# Altium PCB MCU009B_PCB.PcbDoc (part 1 of 4) (continued)
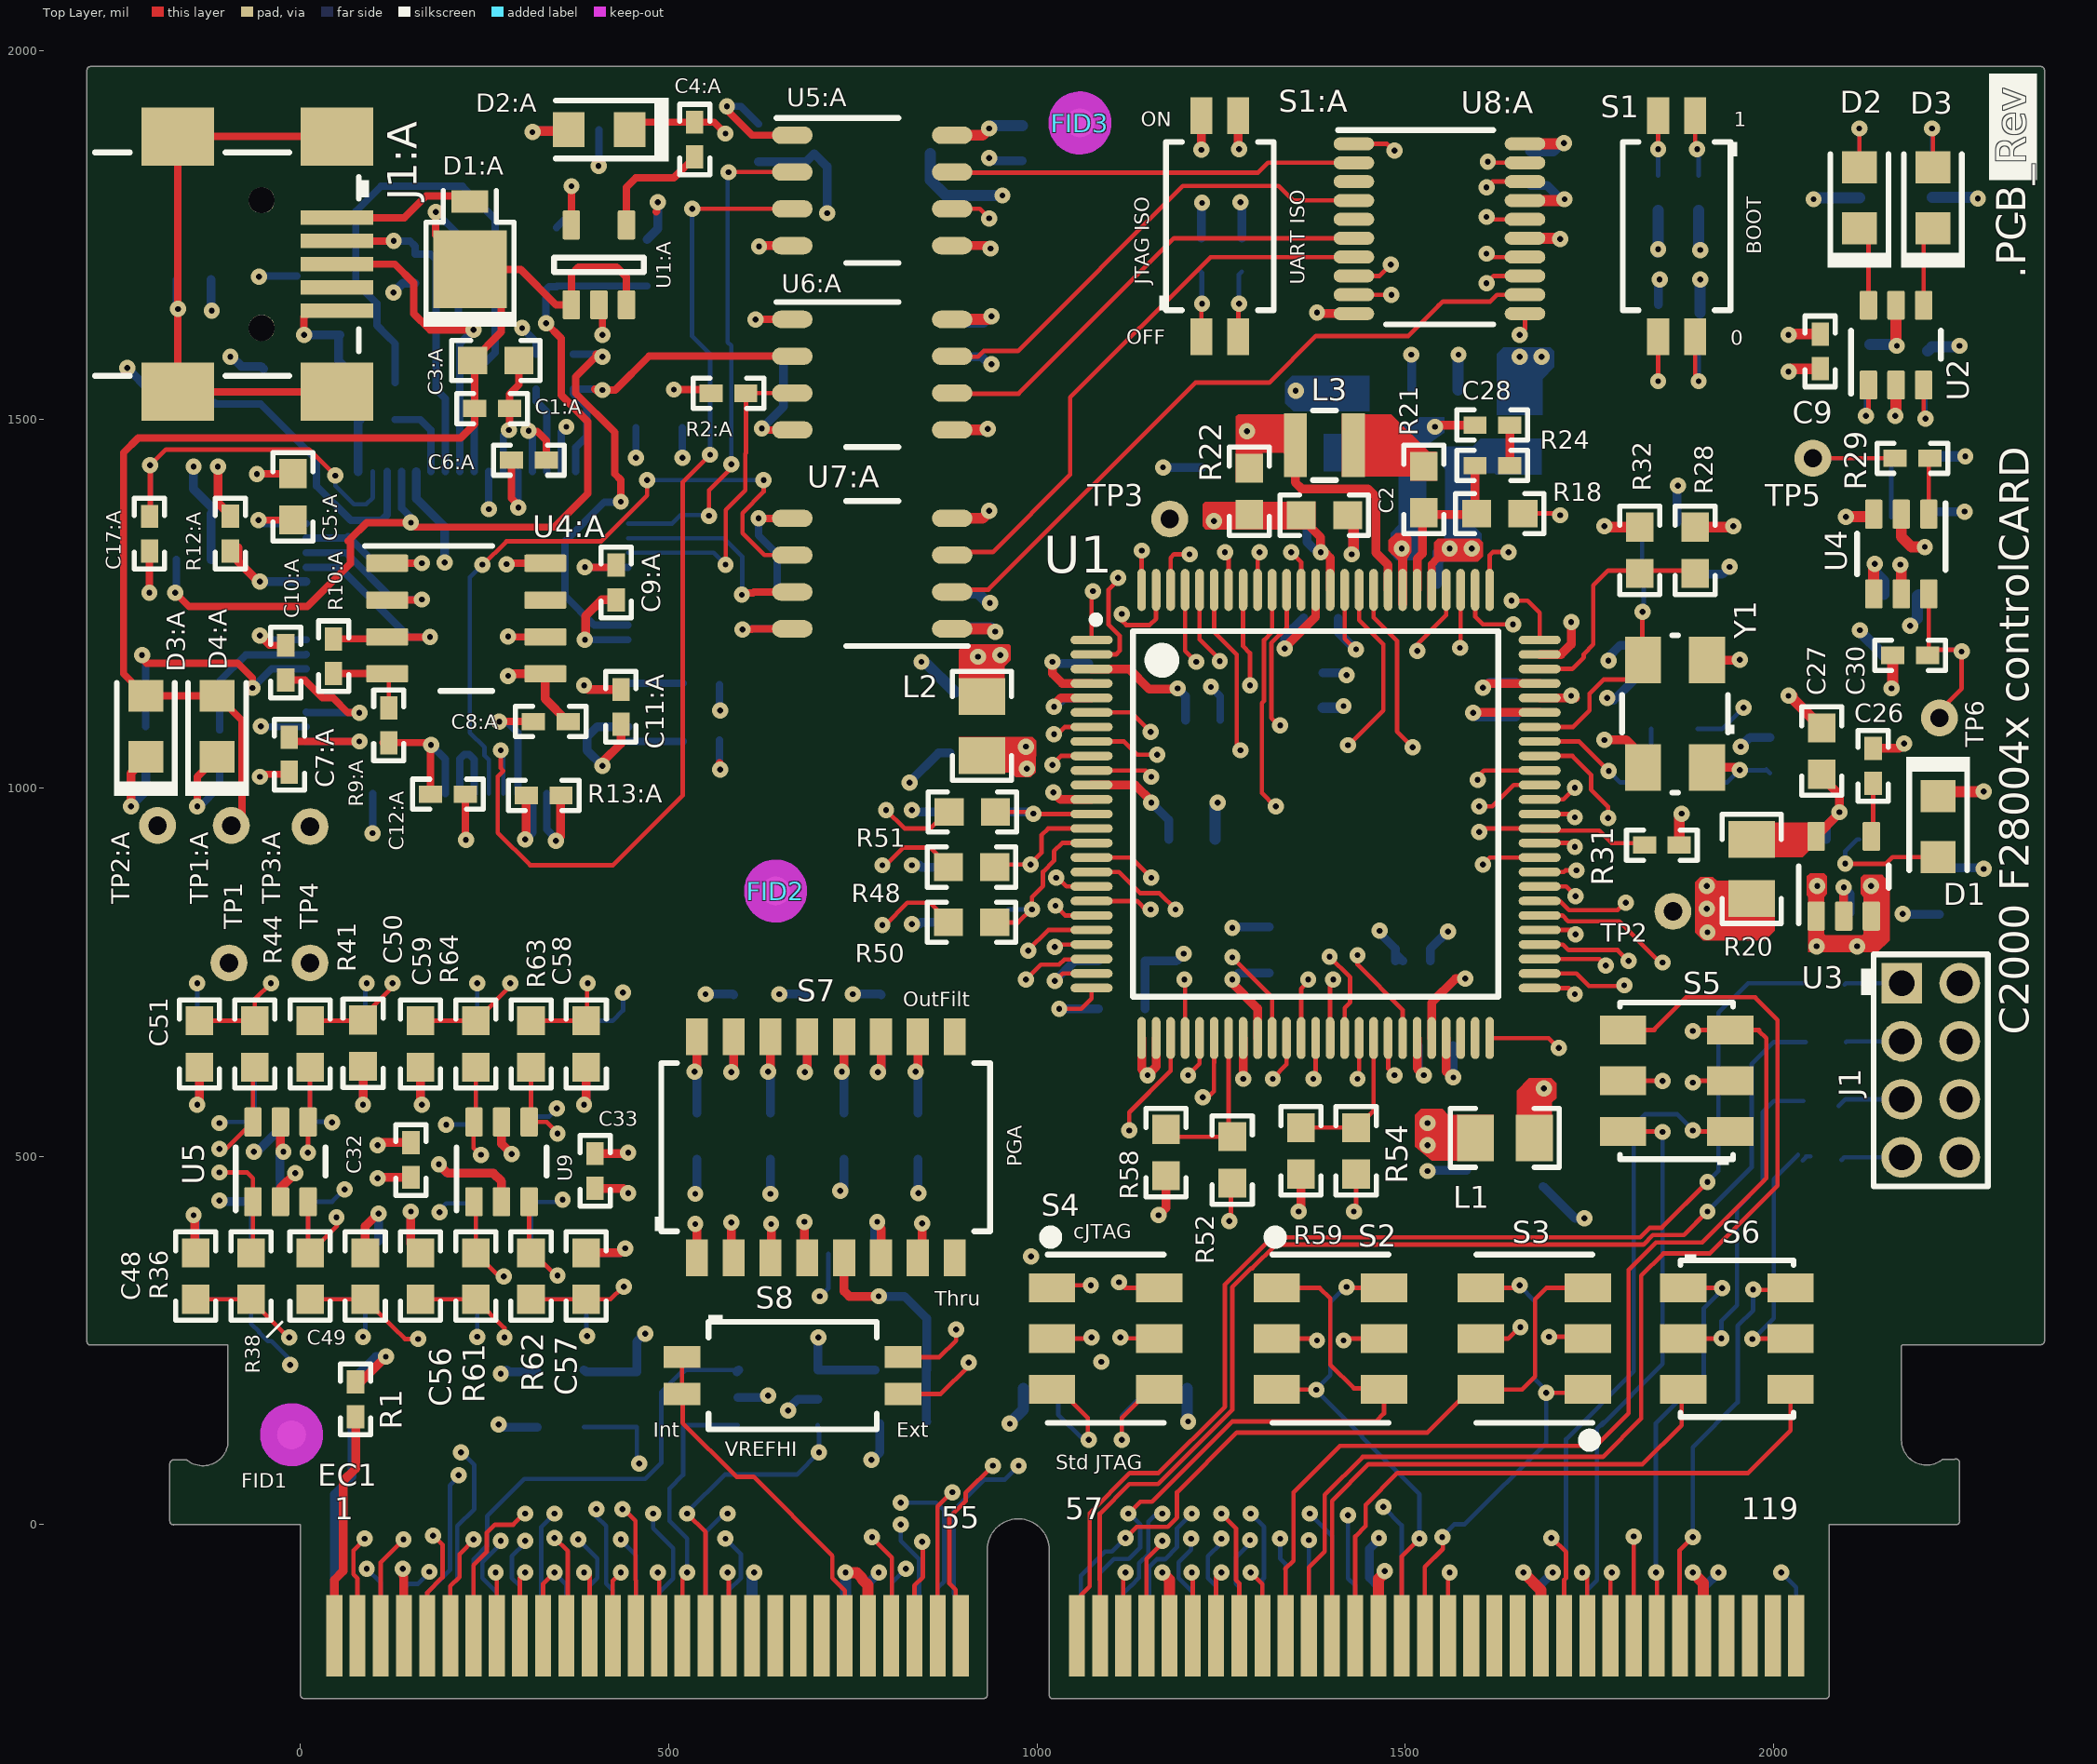
[diagram p0: Top Layer view]
## Design rules (kind name [scope] priority, off if disabled: settings) (continued)
FanoutControl Fanout_LCC [IsLCC] p1: bgadir=Out bgaviamode=Centered fanoutstyle=Auto fanoutdirection=Alternating viagrid=1 // Fanout_LCC (Default Rule)
FanoutControl Fanout_BGA [IsBGA] p2: bgadir=Out bgaviamode=Centered fanoutstyle=Auto fanoutdirection=Alternating viagrid=1 // Fanout_BGA (Default Rule)
FanoutControl Fanout_Default [All] p4: bgadir=Out bgaviamode=Centered fanoutstyle=Auto fanoutdirection=Alternating viagrid=1 // Fanout_Default (Default Rule)
FanoutControl Fanout_Small [(CompPinCount < 5)] p5: bgadir=Out bgaviamode=Centered fanoutstyle=Auto fanoutdirection=OutThenIn viagrid=1 // Fanout_Small (Default Rule)
HoleSize [All] p1: absolutevalues=TRUE maxlimit=251 minlimit=7.87 maxpercent=80.000 minpercent=20.000
MinimumAnnularRing MinimumAnnularRing_ThermalPadVias [IsVia and InAnyComponent] p1: minimumring=5.91
MinimumAnnularRing [All] p2: minimumring=7
MinimumSolderMaskSliver MinimumSolderMaskSliver_Logo [InComponentClass('Logo') vs InComponentClass('Logo')] p1: minsoldermaskwidth=0.7
MinimumSolderMaskSliver [All] p2: minsoldermaskwidth=3.94
PlaneClearance PlaneClearance_Via [IsVia] p1: clearance=15
PlaneClearance [All] p2: clearance=20
PlaneConnect [All] p1: planeconnectstyle=Relief reliefexpansion=10 reliefentries=4 reliefconductorwidth=10 reliefairgap=10
PolygonConnect PolygonConnect_via [isvia] p1: connectstyle=Direct reliefconductorwidth=10 reliefentries=4 polygonreliefangle="90 Angle" airgapwidth=10
PolygonConnect [All] p2: connectstyle=Relief reliefconductorwidth=10 reliefentries=4 polygonreliefangle="90 Angle" airgapwidth=10
RoutingVias ThermalPadVias [IsVia and InAnyComponent] p1: holewidth=8 width=22 viastyle="Through Hole" minholewidth=8 minwidth=22 maxholewidth=12.99 maxwidth=23.62
RoutingVias [All] p2: holewidth=8 width=22 viastyle="Through Hole" minholewidth=8 minwidth=22 maxholewidth=40 maxwidth=65
SilkToBoardRegionClearance [Not ((IsComment or IsDesignator) And (Hide <> 'False')) and not InRegion(1000,500,4000,800)] p1:
SilkToSilkClearance SilkToSilkClearance_Pb-FreeLogo [(HasFootprint('Pb-Free_Overlay_Medium') OR HasFootprint('Pb-Free_Overlay_Small')) vs (HasFootprint('Pb-Free_Overlay_Medium') OR HasFootprint('Pb-Free_Overlay_Small'))] p1: silktosilkclearance=0
SilkToSilkClearance [All] p2: silktosilkclearance=3
SilkToSolderMaskClearance SilkToComponentPadClearance [IsPad and InAnycomponent] p1: minsilkscreentomaskgap=3 clearancetoexposedcopper=TRUE
SilkToSolderMaskClearance "Silk to Solder Mask Opening" [All] p2: minsilkscreentomaskgap=3 clearancetoexposedcopper=FALSE
SolderMaskExpansion [All] p1: expansion=1.97
Width [All] p1: maxlimit=50 minlimit=5 preferedwidth=6 minimp=50.000000 maximp=50.000000 favimp=50.000000 checkconnectedcopper=TRUE
14 further rules are at their usual default settings.

## Classes and differential pairs
component class Logo: Logo1
component class MCU009B_EVM_Hardware: FID1 FID2 FID3 FID4 FID5 FID6 Logo1 Logo2 Logo3 LOGO4 ZZ1 ZZ2 ZZ3
component class FiducialMark: FID1 FID2 FID3 FID4 FID5 FID6
component class AssemblyNote: ZZ1 ZZ2 ZZ3
component class Header: J1
component class MCU009B_ADC: C32 C33 C34 C35 C36 C37 C38 C39 C40 C41 C42 C43 C44 C45 C46 C47 C48 C49 C50 C51 C52 C53 C54 C55 C56 C57 C58 C59 C60 C61 R35 R36 R37 R38 R39 R40 R41 R42 R43 R44 R45 R46 R47 R48 R49 R50 R51 R52 R53 R54 R55 R56 R57 R58 R59 R60 R61 R62 R63 R64 S7 S8 U5 U6 U7 U8 U9
component class MCU009B_Connector+IO: EC1 J1 R1 R2 R3 R4 R5 R6 R7 R8 R9 S2 S3 S4 S5 S6 U1
component class MCU009B_EmuInterface: C19:A C20:A C21:A C22:A C23:A C24:A C25:A C26:A R15:A R16:A S1:A U5:A U6:A U7:A U8:A
component class MCU009B_Power+Misc: C1 C2 C3 C4 C5 C6 C7 C8 C9 C10 C11 C12 C13 C14 C15 C16 C17 C18 C19 C20 C21 C22 C23 C24 C25 C26 C27 C28 C29 C30 C31 D1 D2 D3 L1 L2 L3 R10 R11 R12 R13 R14 R15 R16 R17 R18 R19 R20 R21 R22 R23 R24 R25 R26 R27 R28 R29 R30 R31 R32 R33 R34 S1 TP1 TP2 TP3 TP4 TP5 TP6 U2 U3 U4 Y1
component class MCU009B_Xds100v2Emu: C1:A C2:A C3:A C4:A C5:A C6:A C7:A C8:A C9:A C10:A C11:A C12:A C13:A C14:A C15:A C16:A C17:A C18:A D1:A D2:A D3:A D4:A J1:A L1:A L2:A R1:A R2:A R3:A R4:A R5:A R6:A R7:A R8:A R9:A R10:A R11:A R12:A R13:A R14:A TP1:A TP2:A TP3:A U1:A U2:A U3:A U4:A Y1:A

## Components (designator, comment, footprint, x,y, rotation, side; value= is the part's Value field where it differs from the comment)
C1 "GRM188R61A106ME69D" 0603 1400,1370 r0 bottom value=10uF
C1:A "GRM155R71A104KA01D" 0402 260.2,1514.84 r180 top value=0.1uF
C2 "GRM188R61A106ME69D" 0603 1390,1370 r0 top value=10uF
C2:A "GRM188R60J475ME19D" 0603 485,1495 r180 bottom value=4.7uF
C3 "GRM155R71A104KA01D" 0402 1375,1130 r90 bottom value=0.1uF
C3:A "GRM188R60J475ME19D" 0603 265.2,1579.84 r0 top value=4.7uF
C4 "GRM155R71A104KA01D" 0402 1815,1170 r270 bottom value=0.1uF
C4:A "GRM155R71C103KA01D" 0402 535.2,1879.84 r270 top value=0.01uF
C5 "GRM155R71A104KA01D" 0402 1510,764 r0 bottom value=0.1uF
C5:A "GRM188R60J475ME19D" 0603 -10,1395 r270 top value=4.7uF
C6 "GRM155R71A104KA01D" 0402 1070,1145 r90 bottom value=0.1uF
C6:A "GRM155R71A104KA01D" 0402 310.2,1444.84 r180 top value=0.1uF
C7 "GRM21BR61A106KE19L" 0805_HV 1683.1,497.4 r90 bottom value=10uF
C7:A "GRM155R71A104KA01D" 0402 -15,1045 r90 top value=0.1uF
C8 "GRM188R61A106ME69D" 0603 1583.1,512.4 r270 bottom value=10uF
C8:A "GRM155R71A104KA01D" 0402 340,1090 r180 top value=0.1uF
C9 "GRM155R71A104KA01D" 0402 2063.1,1592.4 r270 top value=0.1uF
C9:A "GRM155R71A104KA01D" 0402 428.7,1278.74 r90 top value=0.1uF
C10 "GRM188R61A225KE34D" 0603 920,1130 r0 bottom value=2.2uF
C10:A "GRM155R71A104KA01D" 0402 -19.8,1169.84 r90 top value=0.1uF
C11 "GRM188R61A225KE34D" 0603 905,1050 r0 bottom value=2.2uF
C11:A "GRM155R71A104KA01D" 0402 435.2,1109.84 r270 top value=0.1uF
C12 "GRM188R61A225KE34D" 0603 1210,930 r180 bottom value=2.2uF
C12:A "GRM155R71A104KA01D" 0402 200.35,991.34 r180 top value=0.1uF
C13 "GRM188R61A225KE34D" 0603 1315,780 r270 bottom value=2.2uF
C13:A "GRM188R60J475ME19D" 0603 470.54,1712.65 r90 bottom value=4.7uF
C14 "GRM155R71A104KA01D" 0402 1225,1092 r0 bottom value=0.1uF
C14:A "GRM155R71A104KA01D" 0402 -145,1305 r180 bottom value=0.1uF
C15 "GRM155R71A104KA01D" 0402 1540.9,649.99 r180 bottom value=0.1uF
C15:A "GRM188R60J475ME19D" 0603 85.2,1614.84 r180 bottom value=4.7uF
C16 "GRM155R71A104KA01D" 0402 1650,1120 r90 bottom value=0.1uF
C16:A "GRM155R71A104KA01D" 0402 105.2,1549.84 r0 bottom value=0.1uF
C17 "GRM155R71A104KA01D" 0402 1385,1230 r0 bottom value=0.1uF
C17:A "GRM1555C1H270JA01D" 0402 -204.8,1344.84 r90 top value=27pF
C18 "GRM155R71A104KA01D" 0402 1520,1280 r180 bottom value=0.1uF
C18:A "GRM1555C1H270JA01D" 0402 -50,1545 r270 bottom value=27pF
C19 "GRM188R61A225KE34D" 0603 1540,1540 r0 bottom value=2.2uF
C19:A "GRM155R71A104KA01D" 0402 621.88,1873.36 r90 bottom value=0.1uF
C20 "GRM188R61A106ME69D" 0603 1541.5,1375 r0 bottom value=10uF
C20:A "GRM155R71A104KA01D" 0402 980,1875 r270 bottom value=0.1uF
C21 "GRM188R61A106ME69D" 0603 1540,1445 r0 bottom value=10uF
C21:A "GRM155R71A104KA01D" 0402 655.99,1612.64 r90 bottom value=0.1uF
C22 "GRM1555C1H150JA01D" 0402 1995,1045 r90 bottom value=15pF
C22:A "GRM155R71A104KA01D" 0402 895,1608.62 r270 bottom value=0.1uF
C23 "GRM1555C1H150JA01D" 0402 1845,1360 r0 bottom value=15pF
C23:A "GRM155R71A104KA01D" 0402 646.99,1239.64 r270 bottom value=0.1uF
C24 "GRM188R61A106ME69D" 0603 2225,860 r90 bottom value=10uF
C24:A "GRM155R71A104KA01D" 0402 896.22,1245.87 r90 bottom value=0.1uF
C25 "GRM155R71A104KA01D" 0402 2080,825 r0 bottom value=0.1uF
C25:A "GRM155R71A104KA01D" 0402 1670,1841 r90 bottom value=0.1uF
C26 "GRM155R71C103KA01D" 0402 2135,1030 r270 top value=0.01uF
C26:A "1812SC103KAT1A" 1812 776.22,1860.87 r180 bottom value=0.01uF
C27 "GRM188R61A106ME69D" 0603 2065,1050 r270 top value=10uF
C28 "GRM155R71C102KA01D" 0402 1618.1,1492.4 r180 top value=1000pF
C29 "GRM155R71C103KA01D" 0402 2185,1375 r180 bottom value=0.01uF
C30 "GRM155R71C103KA01D" 0402 2185,1180 r0 top value=0.01uF
C31 "GRM155R71A104KA01D" 0402 2173.1,1262.4 r0 bottom value=0.1uF
C32 "GRM155R71A104KA01D" 0402 150,495 r270 top value=0.1uF
C33 "GRM155R71A104KA01D" 0402 400,480 r270 top value=0.1uF
C34 "GRM1885C1H331JA01D" 0603 538.1,534 r90 bottom value=330pF
C35 "GRM1885C1H331JA01D" 0603 600,695 r270 bottom value=330pF
C36 "GRM1885C1H331JA01D" 0603 638.1,534 r90 bottom value=330pF
C37 "GRM1885C1H331JA01D" 0603 700,695 r270 bottom value=330pF
C38 "GRM1885C1H331JA01D" 0603 740,534 r90 bottom value=330pF
C39 "GRM1885C1H331JA01D" 0603 800,695 r270 bottom value=330pF
C40 "GRM1885C1H331JA01D" 0603 840,534 r90 bottom value=330pF
C41 "GRM188R71C104KA01D" 0603 -136.9,652.4 r90 bottom value=0.1uF
C42 "GRM188R71C104KA01D" 0603 85,653.51 r90 bottom value=0.1uF
C43 "GRM188R71C104KA01D" 0603 88.1,337.4 r270 bottom value=0.1uF
C44 "GRM188R71C104KA01D" 0603 -141.9,337.4 r270 bottom value=0.1uF
C45 "GRM188R71C104KA01D" 0603 818.1,137.4 r0 bottom value=0.1uF
C46 "GRM188R71C104KA01D" 0603 353.1,132.4 r0 bottom value=0.1uF
C47 "GRM188R71C104KA01D" 0603 353.1,207.4 r0 bottom value=0.1uF
C48 "GRM188R71C104KA01D" 0603 -141.9,337.4 r90 top value=0.1uF
C49 "GRM188R71C104KA01D" 0603 88.1,337.4 r90 top value=0.1uF
C50 "GRM188R71C104KA01D" 0603 85,653.5 r270 top value=0.1uF
C51 "GRM188R71C104KA01D" 0603 -136.9,652.4 r270 top value=0.1uF
C52 "GRM188R71C104KA01D" 0603 388.1,337.4 r90 bottom value=0.1uF
C53 "GRM188R71C104KA01D" 0603 163.1,337.4 r90 bottom value=0.1uF
C54 "GRM188R71C104KA01D" 0603 163.1,652.4 r270 bottom value=0.1uF
C55 "GRM188R71C104KA01D" 0603 388.1,652.4 r270 bottom value=0.1uF
C56 "GRM188R71C104KA01D" 0603 163.1,337.4 r90 top value=0.1uF
C57 "GRM188R71C104KA01D" 0603 388.1,337.4 r90 top value=0.1uF
C58 "GRM188R71C104KA01D" 0603 388.1,652.4 r270 top value=0.1uF
C59 "GRM188R71C104KA01D" 0603 163.1,652.4 r270 top value=0.1uF
C60 "GRM188R61A225KE34D" 0603 1115,700 r180 bottom value=2.2uF
C61 "GRM188R61A225KE34D" 0603 1115,765 r180 bottom value=2.2uF
D1 "150080VS75000" WL-SMCW_Green_0805 2223.1,947.4 r270 top value="Bright Green"
D1:A "MBRM110ET1G" POWERMITE 230.2,1749.84 r90 top value=10V
D2 "150080SS75000" WL-SMCW_RED_0805 2116.22,1800.87 r90 top value=Red
D2:A "150080VS75000" WL-SMCW_Green_0805 405.58,1893.56 r180 top value="Bright Green"
D3 "150080SS75000" WL-SMCW_RED_0805 2215.91,1800.87 r90 top value=Red
D3:A "150080BS75000" WL-SMCW_Blue_0805 -209.8,1083.46 r90 top value=Blue
D4:A "150080BS75000" WL-SMCW_Blue_0805 -113.01,1083.64 r90 top value=Blue
EC1 "controlCARD-120HSEC_Edge" controlCARD-120HSEC_Edge 975.2,-245.16 r0 top
FID1 "Fiducial" Fiducial10-20 -12,122 r90 top
FID2 "Fiducial" Fiducial10-20 645,860 r0 top
FID3 "Fiducial" Fiducial10-20 1058.1,1902.4 r0 top
FID4 "Fiducial" Fiducial10-20 -25,120 r90 bottom
FID5 "Fiducial" Fiducial10-20 2110,105 r90 bottom
FID6 "Fiducial" Fiducial10-20 -206.9,1912.4 r90 bottom
J1 "TMM-104-01-T-D" Samtec_TMM-104-01-x-D 2212.99,616.64 r0 top
J1:A "65100516121" Wurth_65100516121 -284.78,1710.87 r270 top
L1 "BLM21PG221SN1D" 0805_HV 1635,525 r180 top value="220 ohm"
L1:A "HZ0805E601R-10" 0805_HV 347.57,1720.29 r90 bottom value="600 ohm"
L2 "BKP2125HS600-T" 0805_HV 925,1084 r270 top value="60 ohm"
L2:A "HZ0805E601R-10" 0805_HV 35.2,1694.84 r180 bottom value="600 ohm"
L3 "LQM2HPN2R2MG0L" 1008 1390,1465 r180 top value=2.2uH
Logo1 "Texas Instruments" TI_Symbol_Overlay_Small 1810,274 r180 bottom
Logo2 "WEEE logo" WEEE_Minimum 2247,349 r90 bottom
Logo3 "FCC disclaimer" FCC_disclaimer 2329,1108 r90 bottom
LOGO4 "CE Mark" CE_Mark_5mm 1388,281 r180 bottom
R1 "CRCW04024K70JNED" 0402 75,170 r270 top value=4.7k
R1:A "CRCW0402680RJNED" 0402 381.47,1892.91 r180 bottom value=680
R2 "CRCW04024K70JNED" 0402 70.2,171.65 r90 bottom value=4.7k
R2:A "CRCW040210K0JNED" 0402 580.99,1535.64 r180 top value=10k
R3 "CRCW06030000Z0EA" 0603 2065,735 r0 bottom value=0
R3:A "CRCW04020000Z0ED" 0402 370,1560 r90 bottom value=0
R4 "CRCW06030000Z0EA" 0603 2065,655 r0 bottom value=0
R4:A "CRCW040210K0JNED" 0402 545,1145 r0 bottom value=10k
R5 "CRCW06030000Z0EA" 0603 2065,575 r0 bottom value=0
R5:A "CRCW04021K00JNED" 0402 545.2,1064.84 r0 bottom value=1.0k
R6 "CRCW06030000Z0EA" 0603 2065,500 r0 bottom value=0
R6:A "CRCW04020000Z0ED" 0402 -144.8,1689.84 r0 bottom value=0
R7 "CRCW06030000Z0EA" 0603 1865,1080 r180 bottom value=0
R7:A "CRCW04021K00JNED" 0402 -209.8,1059.84 r270 bottom value=1.0k
R8 "CRCW040210K0JNED" 0402 1005,185 r180 bottom value=10k
R8:A "CRCW04021K00JNED" 0402 -109.8,1054.84 r270 bottom value=1.0k
R9 "CRCW040210K0JNED" 0402 1180,185 r0 bottom value=10k
R9:A "CRCW040210K0JNED" 0402 120,1085 r90 top value=10k
R10 "CRCW0402680RJNED" 0402 2116.34,1824.48 r90 bottom value=680
R10:A "CRCW04022K20JNED" 0402 44.99,1178.64 r90 top value=2.2k
R11 "CRCW0402680RJNED" 0402 2215.08,1824.99 r90 bottom value=680
R11:A "CRCW04021K00JNED" 0402 320,1555 r270 bottom value=1.0k
R12 "CRCW040210M0JNED" 0402 2125,1576.38 r90 bottom value=10Meg
R12:A "CRCW04020000Z0ED" 0402 -95,1345 r270 top value=0
R13 "CRCW040210M0JNED" 0402 2210,1571.38 r90 bottom value=10Meg
R13:A "CRCW04020000Z0ED" 0402 330.2,989.84 r180 top value=0
R14 "CRCW08050000Z0EA" 0805_HV 1655,1490 r270 bottom value=0
R14:A "CRCW040212K0JNED" 0402 105.2,1499.84 r0 bottom value=12k
R15 "CRCW08050000Z0EA" 0805_HV 1420,1495 r270 bottom value=0
R15:A "CRCW040210K0JNED" 0402 1223.1,1725.4 r90 bottom value=10k
R16 "CRCW06030000Z0EA" 0603 1865,1010 r180 bottom value=0
R16:A "CRCW040210K0JNED" 0402 1278.1,1725.4 r90 bottom value=10k
R17 "CRCW06030000Z0EA" 0603 1855,1290 r180 bottom value=0
R18 "CRCW06030000Z0EA" 0603 1628.1,1372.4 r0 top value=0
R19 "CRCW06030000Z0EA" 0603 1255,1435 r180 bottom value=0
R20 "CRCW08050000Z0EA" 0805_HV 1970,890 r270 top value=0
R21 "CRCW06030000Z0EA" 0603 1525,1405 r270 top value=0
R22 "CRCW06030000Z0EA" 0603 1288.1,1402.4 r90 top value=0
R23 "CRCW0402680RJNED" 0402 2092,930 r0 bottom value=680
R24 "CRCW04021R00FKED" 0402 1618.1,1437.4 r180 top value=1.00
R25 "CRCW040256K0JNED" 0402 1843.1,1799.4 r90 bottom value=56k
R26 "CRCW040256K0JNED" 0402 1898.1,1799.4 r270 bottom value=56k
R27 "CRCW04022K20JNED" 0402 2188.1,1447.4 r0 bottom value=2.2k
R28 "CRCW06030000Z0EA" 0603 1893.1,1322.4 r90 top value=0
R29 "CRCW04020000Z0ED" 0402 2188.1,1447.4 r180 top value=0
R30 "CRCW04022K20JNED" 0402 2185,1180 r180 bottom value=2.2k
R31 "CRCW04022K20JNED" 0402 1848.1,922.4 r0 top value=2.2k
R32 "CRCW06030000Z0EA" 0603 1818.1,1322.4 r90 top value=0
R33 "CRCW04022K20JNED" 0402 1845,1621.38 r90 bottom value=2.2k
R34 "CRCW04022K20JNED" 0402 1900,1621.38 r270 bottom value=2.2k
R35 "CRCW06030000Z0EA" 0603 745,358 r0 bottom value=0
R36 "CRCW06030000Z0EA" 0603 -66.9,337.4 r90 top value=0
R37 "CRCW06030000Z0EA" 0603 -61.9,652.4 r90 bottom value=0
R38 "CRCW06030000Z0EA" 0603 13.1,337.4 r90 top value=0
R39 "CRCW06030000Z0EA" 0603 13.1,652.4 r90 bottom value=0
R40 "CRCW06030000Z0EA" 0603 13.1,337.4 r270 bottom value=0
R41 "CRCW06030000Z0EA" 0603 13.1,652.4 r270 top value=0
R42 "CRCW06030000Z0EA" 0603 -66.9,337.4 r270 bottom value=0
R43 "CRCW06030000Z0EA" 0603 818.1,212.4 r0 bottom value=0
R44 "CRCW06030000Z0EA" 0603 -61.9,652.4 r270 top value=0
R45 "CRCW06030000Z0EA" 0603 488.1,132.4 r180 bottom value=0
R46 "CRCW06030000Z0EA" 0603 488.1,207.4 r180 bottom value=0
R47 "CRCW06030000Z0EA" 0603 313.1,337.4 r90 bottom value=0
R48 "CRCW06030000Z0EA" 0603 911.1,892.4 r0 top value=0
R49 "CRCW06030000Z0EA" 0603 238.1,337.4 r90 bottom value=0
R50 "CRCW06030000Z0EA" 0603 911.1,817.4 r0 top value=0
R51 "CRCW06030000Z0EA" 0603 912.1,967.4 r0 top value=0
R52 "CRCW06030000Z0EA" 0603 1265,495 r90 top value=0
R53 "CRCW06030000Z0EA" 0603 238.1,652.4 r270 bottom value=0
R54 "CRCW06030000Z0EA" 0603 1433.1,507.4 r90 top value=0
R55 "CRCW06030000Z0EA" 0603 911.1,892.4 r0 bottom value=0
R56 "CRCW06030000Z0EA" 0603 911.1,817.4 r0 bottom value=0
R57 "CRCW06030000Z0EA" 0603 912.1,967.4 r0 bottom value=0
R58 "CRCW06030000Z0EA" 0603 1175,505 r90 top value=0
R59 "CRCW06030000Z0EA" 0603 1358.1,507.4 r90 top value=0
R60 "CRCW06030000Z0EA" 0603 313.1,652.4 r270 bottom value=0
R61 "CRCW06030000Z0EA" 0603 238.1,337.4 r90 top value=0
R62 "CRCW06030000Z0EA" 0603 313.1,337.4 r90 top value=0
R63 "CRCW06030000Z0EA" 0603 313.1,652.4 r270 top value=0
R64 "CRCW06030000Z0EA" 0603 238.1,652.4 r270 top value=0
S1 "218-2LPST" SW_218-2LP 1868.1,1762.4 r270 top
S1:A "218-2LPST" SW_218-2LP 1248.1,1762.4 r90 top
S2 "CAS-220TA" SW_CAS-220TA 1398.1,252.4 r0 top
S3 "CAS-220TA" SW_CAS-220TA 1675,252.4 r180 top
S4 "CAS-220TA" SW_CAS-220TA 1093.1,252.4 r0 top
S5 "CAS-D20TA" SW_CAS-D20TA 1868.1,602.4 r180 top
S6 "CAS-D20TA" SW_CAS-D20TA 1950,252.4 r0 top
S7 "218-8LPST" SW_218-8LP 713.1,512.4 r90 top
S8 "218-2LPST" SW_218-2LP 668.1,202.4 r0 top
TP1 "TESTPOINT" TP_50MIL-25MILHOLE -96.9,762.4 r0 top
TP1:A "TESTPOINT" TP_50MIL-25MILHOLE -93.8,948.84 r90 top
TP2 "TESTPOINT" TP_50MIL-25MILHOLE 1863.1,832.4 r0 top
TP2:A "TESTPOINT" TP_50MIL-25MILHOLE -193.8,948.84 r90 top
TP3 "TESTPOINT" TP_50MIL-25MILHOLE 1180,1365 r0 top
TP3:A "TESTPOINT" TP_50MIL-25MILHOLE 13.1,947.4 r90 top
TP4 "TESTPOINT" TP_50MIL-25MILHOLE 13.1,762.4 r0 top
TP5 "TESTPOINT" TP_50MIL-25MILHOLE 2053.1,1447.4 r0 top
TP6 "TESTPOINT" TP_50MIL-25MILHOLE 2225,1095 r270 top
U1 "F280049CPZS" PZ0100A_N 1378.1,964.56 r0 top
U1:A "TPS73033DBVR" DBV0005A_N 405.2,1709.84 r90 top
U2 "SN74LVC2G07DBVR" DBV0006A_N 2165.91,1600.87 r90 top
U2:A "FT2232HL-REEL" LQFP64_N 226.22,1210.87 r270 bottom
U3 "TPS73633DBVR" DBV0005A_N 2095,880 r90 top
U3:A "TPD2E001DRLR" DRL0005A 185.2,1704.84 r180 bottom
U4 "TPS3702CX33DDCR" DDC0006A_N 2173.1,1317.4 r270 top
U4:A "93LC56C-I/SN" SOIC-8 225.2,1229.84 r0 top
U5 "TPD4E001QDBVRQ1" DBV0006A_N -26.9,492.4 r90 top
U5:A "ISO7220CD" D0008B_N 776.22,1810.87 r0 top
U6 "TPD4E001QDBVRQ1" DBV0006A_N -26.9,492.4 r270 bottom
U6:A "ISO7220CD" D0008B_N 776.22,1560.87 r0 top
U7 "TPD4E001QDBVRQ1" DBV0006A_N 273.1,492.4 r90 bottom
U7:A "ISO7220CD" D0008B_N 776.22,1290.87 r180 top
U8 "TPD4E001QDBVRQ1" DBV0006A_N 648.1,170.4 r180 bottom
U8:A "SN74ALVC244PWR" PW0020A_N 1546.2,1758.84 r0 top
U9 "TPD4E001QDBVRQ1" DBV0006A_N 273.1,492.4 r90 top
Y1 "20MHz" ECS_ECX-53B 1865.83,1100.67 r180 top
Y1:A "12MHz" ECS_ECX-53B -159.8,1449.84 r0 bottom
ZZ1 "These assemblies are ESD sensitive, ESD precautions shall be observed." AssemblyNote -4235.9,5731.96 r0 top
ZZ2 "These assemblies must be clean and free from flux and all contaminants. Use of no clean flux is not acceptable." AssemblyNote -4235.9,5643.4 r0 top
ZZ3 "These assemblies must comply with workmanship standards IPC-A-610 Class 2, unless otherwise specified." AssemblyNote -4234.6,5555.9 r0 top

## Footprints (in the part's own frame and the unit in brackets; to place one, negate y for a bottom-side part, rotate by r counter-clockwise, add the part's x,y. Pads: shape width x height; smd on the part's side, far side on the other; paste and mask are expansions set on the pad)
0402 [mm] "0402 from SM-752 data"
  rect 0.8x0.6 smd: 1(-0.6,0) 2(0.6,0)
  silkscreen extent -1.22,-0.52 1.22,0.52, body extent -0.55,-0.3 0.55,0.3, height 0.6
0603 [mm] "0603 from SM-752 data"
  rect 1x0.95 smd: 1(-0.8,0) 2(0.8,0)
  silkscreen extent -1.52,-0.69 1.52,0.69, body extent -0.87,-0.47 0.87,0.47, height 1
0805_HV [mil] "0805 with 30mil clearance between pads"
  rect 50x63 smd: 1(-40,0) 2(40,0)
  silkscreen extent -74,-40 74,40, body extent -43,-29 43,29, height 57
1008 [mm] "SMD, Body 2.5x2mm, Height 1.2mm"
  rect 0.8x2.2 smd: 1(-1,0) 2(1,0)
  silkscreen extent -0.4,-1.2 0.4,1.2, body extent -1.35,-1.1 1.35,1.1, height 1.2
1812 [mm]
  rect 1.6x3.4 smd: 1(-2,0) 2(2,0)
  silkscreen extent -0.8,-1.6 0.8,1.6, body extent -2.4,-1.7 2.4,1.7, height 1.35
AssemblyNote [mil] "Assembly Note"
CE_Mark_5mm [mil] "Minimum text height for CE Mark"
  silkscreen extent -138,-98 138,98
controlCARD-120HSEC_Edge [mm] "Edge Connector, 0.8mm, 60x2, pad numbers do not match Samtec datasheet"
  rect 0.55x2.8 smd paste-2.5 mask+0: 1(-23.6,2.4) 3(-22.8,2.4) 5(-22,2.4) 7(-21.2,2.4) 9(-20.4,2.4) 11(-19.6,2.4) 13(-18.8,2.4) 15(-18,2.4) 17(-17.2,2.4) 19(-16.4,2.4) 21(-15.6,2.4) 23(-14.8,2.4) 25(-14,2.4) 27(-13.2,2.4) 29(-12.4,2.4) 31(-11.6,2.4) 33(-10.8,2.4) 35(-10,2.4) 37(-9.2,2.4) 39(-8.4,2.4) 41(-7.6,2.4) 43(-6.8,2.4) 45(-6,2.4) 47(-5.2,2.4) 49(-4.4,2.4) 51(-3.6,2.4) 53(-2.8,2.4) 55(-2,2.4) 57(2,2.4) 59(2.8,2.4) 61(3.6,2.4) 63(4.4,2.4) 65(5.2,2.4) 67(6,2.4) 69(6.8,2.4) 71(7.6,2.4) 73(8.4,2.4) 75(9.2,2.4) 77(10,2.4) 79(10.8,2.4) 81(11.6,2.4) 83(12.4,2.4) 85(13.2,2.4) 87(14,2.4) 89(14.8,2.4) 91(15.6,2.4) 93(16.4,2.4) 95(17.2,2.4) 97(18,2.4) 99(18.8,2.4) 101(19.6,2.4) 103(20.4,2.4) 105(21.2,2.4) 107(22,2.4) 109(22.8,2.4) 111(23.6,2.4) 113(24.4,2.4) 115(25.2,2.4) 117(26,2.4) 119(26.8,2.4)
  rect 0.55x2.8 smd far side paste-2.5 mask+0: 2(-23.6,2.4) 4(-22.8,2.4) 6(-22,2.4) 8(-21.2,2.4) 10(-20.4,2.4) 12(-19.6,2.4) 14(-18.8,2.4) 16(-18,2.4) 18(-17.2,2.4) 20(-16.4,2.4) 22(-15.6,2.4) 24(-14.8,2.4) 26(-14,2.4) 28(-13.2,2.4) 30(-12.4,2.4) 32(-11.6,2.4) 34(-10.8,2.4) 36(-10,2.4) 38(-9.2,2.4) 40(-8.4,2.4) 42(-7.6,2.4) 44(-6.8,2.4) 46(-6,2.4) 48(-5.2,2.4) 50(-4.4,2.4) 52(-3.6,2.4) 54(-2.8,2.4) 56(-2,2.4) 58(2,2.4) 60(2.8,2.4) 62(3.6,2.4) 64(4.4,2.4) 66(5.2,2.4) 68(6,2.4) 70(6.8,2.4) 72(7.6,2.4) 74(8.4,2.4) 76(9.2,2.4) 78(10,2.4) 80(10.8,2.4) 82(11.6,2.4) 84(12.4,2.4) 86(13.2,2.4) 88(14,2.4) 90(14.8,2.4) 92(15.6,2.4) 94(16.4,2.4) 96(17.2,2.4) 98(18,2.4) 100(18.8,2.4) 102(19.6,2.4) 104(20.4,2.4) 106(21.2,2.4) 108(22,2.4) 110(22.8,2.4) 112(23.6,2.4) 114(24.4,2.4) 116(25.2,2.4) 118(26,2.4) 120(26.8,2.4)
D0008B_N [mil] "SOIC, 8-Leads, Body 4.9x3.9mm, Pitch 1.27mm, IPC Medium Density"
  oval 55x23.62 smd: 1(-108.5,75) 2(-108.5,25) 3(-108.5,-25) 4(-108.5,-75) 5(108.5,-75) 6(108.5,-25) 7(108.5,25) 8(108.5,75)
  silkscreen extent -130,-98 35,98, body extent -118,-96 118,96, height 64
DBV0005A_N [mm] "SOT23, 5-Leads, Body 2.9x1.6mm, Pitch 0.95mm, Lead Span 2.8mm, IPC Medium Density"
  rrect17% 1x0.6 smd: 1(-1.375,0.95) 2(-1.375,0) 3(-1.375,-0.95) 4(1.375,-0.95) 5(1.375,0.95)
  silkscreen extent -0.25,-1.55 0.25,1.55, body extent -1.42,-1.46 1.42,1.46, height 1.09
DBV0006A_N [mm] "SOT23, 6-Leads, Body 2.9x1.6mm, Pitch 0.95mm, Lead Span 2.8mm, IPC Medium Density"
  rrect17% 1x0.6 smd: 1(-1.375,0.95) 2(-1.375,0) 3(-1.375,-0.95) 4(1.375,-0.95) 5(1.375,0) 6(1.375,0.95)
  silkscreen extent -1.68,-1.55 0.5,1.55, body extent -1.42,-1.46 1.42,1.46, height 1.12
DDC0006A_N [mm]
  rrect17% 1x0.6 smd: 1(-1.375,0.95) 2(-1.375,0) 3(-1.375,-0.95) 4(1.375,-0.95) 5(1.375,0) 6(1.375,0.95)
  silkscreen extent -1.75,-1.52 0.7,1.53, body extent -1.43,-1.48 1.43,1.49, height 0.92
DRL0005A [mm] "SOTFL, 5-Flat Leads, Body 1.2x1.6x0.6mm, Pitch 0.5mm, TI recommended"
  rrect33% 0.67x0.3 smd: 1(-0.74,0.5) 2(-0.74,0) 3(-0.74,-0.5) 4(0.74,-0.5) 5(0.74,0.5)
  silkscreen extent -0.9,-0.95 0.5,0.95, body extent -0.85,-0.85 0.85,0.85, height 0.62
ECS_ECX-53B [mm] "SMD, 4-Leads, Body 5x3.2mm"
  rect 1.25x1.6 smd: 1(-1.1,1.85) 2(-1.1,-1.85) 3(1.1,-1.85) 4(1.1,1.85)
  silkscreen extent -2.05,-2.7 1.83,2.73, body extent -1.7,-2.6 1.7,2.6, height 0.86
FCC_disclaimer [mil]
Fiducial10-20 [mm]
  round 1 smd mask+0.5: 1(0,0)
  Top Layer keep-out circle w1.178: c0,0 r0.5
LQFP64_N [mm] "Thin QFP, 64-Leads, Body 10x10mm, Pitch 0.5mm, IPC Medium Density"
  oval 1.8x0.3 smd: 1(-5.55,3.75) 2(-5.55,3.25) 3(-5.55,2.75) 4(-5.55,2.25) 5(-5.55,1.75) 6(-5.55,1.25) 7(-5.55,0.75) 8(-5.55,0.25) 9(-5.55,-0.25) 10(-5.55,-0.75) 11(-5.55,-1.25) 12(-5.55,-1.75) 13(-5.55,-2.25) 14(-5.55,-2.75) 15(-5.55,-3.25) 16(-5.55,-3.75) 33(5.55,-3.75) 34(5.55,-3.25) 35(5.55,-2.75) 36(5.55,-2.25) 37(5.55,-1.75) 38(5.55,-1.25) 39(5.55,-0.75) 40(5.55,-0.25) 41(5.55,0.25) 42(5.55,0.75) 43(5.55,1.25) 44(5.55,1.75) 45(5.55,2.25) 46(5.55,2.75) 47(5.55,3.25) 48(5.55,3.75)
  oval 0.3x1.8 smd: 17(-3.75,-5.55) 18(-3.25,-5.55) 19(-2.75,-5.55) 20(-2.25,-5.55) 21(-1.75,-5.55) 22(-1.25,-5.55) 23(-0.75,-5.55) 24(-0.25,-5.55) 25(0.25,-5.55) 26(0.75,-5.55) 27(1.25,-5.55) 28(1.75,-5.55) 29(2.25,-5.55) 30(2.75,-5.55) 31(3.25,-5.55) 32(3.75,-5.55) 49(3.75,5.55) 50(3.25,5.55) 51(2.75,5.55) 52(2.25,5.55) 53(1.75,5.55) 54(1.25,5.55) 55(0.75,5.55) 56(0.25,5.55) 57(-0.25,5.55) 58(-0.75,5.55) 59(-1.25,5.55) 60(-1.75,5.55) 61(-2.25,5.55) 62(-2.75,5.55) 63(-3.25,5.55) 64(-3.75,5.55)
  silkscreen extent -5.67,-4.25 4.25,4.57, body extent -5,-5 5,5, height 1.6
POWERMITE [mil] "On Semi recommended land pattern, 457-04.pdf Rev 04E dated 2008-11-26"
  rect 105x100 smd: 1(-46,0)
  rect 30x50 smd: 2(46,0)
  silkscreen extent -124,-63 61,63, body extent -94,-40 59,40, height 45
PW0020A_N [mm] "TSOP, 20-Leads, Body 6.5x4.4mm, Pitch 0.65mm, IPC Medium Density"
  oval 1.4x0.45 smd: 1(-2.95,2.925) 2(-2.95,2.275) 3(-2.95,1.625) 4(-2.95,0.975) 5(-2.95,0.325) 6(-2.95,-0.325) 7(-2.95,-0.975) 8(-2.95,-1.625) 9(-2.95,-2.275) 10(-2.95,-2.925) 11(2.95,-2.925) 12(2.95,-2.275) 13(2.95,-1.625) 14(2.95,-0.975) 15(2.95,-0.325) 16(2.95,0.325) 17(2.95,0.975) 18(2.95,1.625) 19(2.95,2.275) 20(2.95,2.925)
  Top Overlay keep-out lines w0.2: -1.85,-3.3 1.85,-3.3
  silkscreen extent -3.5,-3.3 1.85,3.4, body extent -3.21,-3.25 3.21,3.25, height 1
PZ0100A_N [mm] "TSQFP, 100-Leads, Body 16.2x16.2mm (max), Pitch 0.50mm, IPC Medium Density"
  oval 1.45x0.3 smd: 1(-7.725,6) 2(-7.725,5.5) 3(-7.725,5) 4(-7.725,4.5) 5(-7.725,4) 6(-7.725,3.5) 7(-7.725,3) 8(-7.725,2.5) 9(-7.725,2) 10(-7.725,1.5) 11(-7.725,1) 12(-7.725,0.5) 13(-7.725,0) 14(-7.725,-0.5) 15(-7.725,-1) 16(-7.725,-1.5) 17(-7.725,-2) 18(-7.725,-2.5) 19(-7.725,-3) 20(-7.725,-3.5) 21(-7.725,-4) 22(-7.725,-4.5) 23(-7.725,-5) 24(-7.725,-5.5) 25(-7.725,-6) 51(7.725,-6) 52(7.725,-5.5) 53(7.725,-5) 54(7.725,-4.5) 55(7.725,-4) 56(7.725,-3.5) 57(7.725,-3) 58(7.725,-2.5) 59(7.725,-2) 60(7.725,-1.5) 61(7.725,-1) 62(7.725,-0.5) 63(7.725,0) 64(7.725,0.5) 65(7.725,1) 66(7.725,1.5) 67(7.725,2) 68(7.725,2.5) 69(7.725,3) 70(7.725,3.5) 71(7.725,4) 72(7.725,4.5) 73(7.725,5) 74(7.725,5.5) 75(7.725,6)
  oval 0.3x1.45 smd: 26(-6,-7.725) 27(-5.5,-7.725) 28(-5,-7.725) 29(-4.5,-7.725) 30(-4,-7.725) 31(-3.5,-7.725) 32(-3,-7.725) 33(-2.5,-7.725) 34(-2,-7.725) 35(-1.5,-7.725) 36(-1,-7.725) 37(-0.5,-7.725) 38(0,-7.725) 39(0.5,-7.725) 40(1,-7.725) 41(1.5,-7.725) 42(2,-7.725) 43(2.5,-7.725) 44(3,-7.725) 45(3.5,-7.725) 46(4,-7.725) 47(4.5,-7.725) 48(5,-7.725) 49(5.5,-7.725) 50(6,-7.725) 76(6,7.725) 77(5.5,7.725) 78(5,7.725) 79(4.5,7.725) 80(4,7.725) 81(3.5,7.725) 82(3,7.725) 83(2.5,7.725) 84(2,7.725) 85(1.5,7.725) 86(1,7.725) 87(0.5,7.725) 88(0,7.725) 89(-0.5,7.725) 90(-1,7.725) 91(-1.5,7.725) 92(-2,7.725) 93(-2.5,7.725) 94(-3,7.725) 95(-3.5,7.725) 96(-4,7.725) 97(-4.5,7.725) 98(-5,7.725) 99(-5.5,7.725) 100(-6,7.725)
  silkscreen extent -7.7,-6.3 6.3,6.82, body extent -8.01,-8.01 8.01,8.01, height 1.5
Samtec_TMM-104-01-x-D [mm] "Header, 2mm, 4x2, TH"
  rect 1.4x1.4 hole 0.89: 1(-1,3)
  round 1.4 hole 0.89: 2(1,3) 3(-1,1) 4(1,1) 5(-1,-1) 6(1,-1) 7(-1,-3) 8(1,-3)
  silkscreen extent -2.4,-4 1.97,4, body extent -1.97,-4 1.97,4, height 4.7
SOIC-8 [mm] "duplicate of SO-8.  SOIC, 8-Leads, Body 5.0x4.0mm (max), Pitch 1.27mm, IPC Medium Density"
  rrect17% 1.45x0.6 smd: 1(-2.725,1.905) 2(-2.725,0.635) 3(-2.725,-0.635) 4(-2.725,-1.905) 5(2.725,-1.905) 6(2.725,-0.635) 7(2.725,0.635) 8(2.725,1.905)
  silkscreen extent -3.5,-2.5 0.9,2.5, body extent -3,-2.45 3,2.45, height 1.63
SW_218-2LP [mm] "SMD, 4-Leads, Body 3.71x5.8mm, Pitch 1.27mm"
  rect 1.27x0.76 smd: 1(-3.81,0.635) 2(-3.81,-0.635) 3(3.81,-0.635) 4(3.81,0.635)
  silkscreen extent -2.9,-1.86 2.9,2.09, body extent -4.22,-1.86 4.22,1.85, height 2.62
SW_218-8LP [mm] "SMD, 16-Leads, Body 11.33x5.8mm, Pitch 1.27mm"
  rect 1.27x0.76 smd: 1(-3.81,4.445) 2(-3.81,3.175) 3(-3.81,1.905) 4(-3.81,0.635) 5(-3.81,-0.635) 6(-3.81,-1.905) 7(-3.81,-3.175) 8(-3.81,-4.445) 9(3.81,-4.445) 10(3.81,-3.175) 11(3.81,-1.905) 12(3.81,-0.635) 13(3.81,0.635) 14(3.81,1.905) 15(3.81,3.175) 16(3.81,4.445)
  silkscreen extent -2.9,-5.67 2.9,5.9, body extent -4.22,-5.66 4.22,5.66, height 2.62
SW_CAS-220TA [mm] "COPAL ELECTRONICS"
  rect 1.6x1 smd: 1(-1.85,1.75) 2(-1.85,0) 3(-1.85,-1.75) 4(1.85,1.75) 5(1.85,0) 6(1.85,-1.75)
  silkscreen extent -2.1,-2.9 2,3.7, body extent -2.1,-2.85 2.1,2.85, height 2.51
SW_CAS-D20TA [mm] "SMD, 6-Leads, Body 5.4x3.9mm, Pitch 1.75mm"
  rect 1.6x1 smd: 1(-1.85,1.75) 2(-1.85,0) 3(-1.85,-1.75) 4(1.85,1.75) 5(1.85,0) 6(1.85,-1.75)
  silkscreen extent -1.95,-2.7 1.95,2.9, body extent -2.1,-2.7 2.1,2.7, height 2.5
TI_Symbol_Overlay_Small [mil]
  silkscreen extent -90,-88 91,88
TP_50MIL-25MILHOLE [mil]
  round 50 hole 25: 1(0,0)
WEEE_Minimum [mil] "WEEElie bin"
  silkscreen extent -95,-172 99,104
WL-SMCW_Blue_0805 [mm] "SMD, 2-Leads, Body 2x1.25mm"
  rect 1.1x1.2 smd: 1(-1.05,0) 2(1.05,0)
  silkscreen extent -2.4,-1.1 1.5,1.1, body extent -1,-0.62 1,0.63, height 0.7
WL-SMCW_Green_0805 [mm] "SMD, 2-Leads, Body 2x1.25mm"
  rect 1.1x1.2 smd: 1(-1.05,0) 2(1.05,0)
  silkscreen extent -2.4,-1.1 1.5,1.1, body extent -1,-0.62 1,0.63, height 0.7
WL-SMCW_RED_0805 [mm] "SMD, 2-Leads, Body 1.6x0.8mm"
  rect 1.1x1.2 smd: 1(-1.05,0) 2(1.05,0)
  silkscreen extent -2.4,-1.1 1.5,1.1, body extent -1,-0.62 1,0.63, height 0.7
Wurth_65100516121 [mm] "Connector, Receptacle, USB Mini B 2.0, 5 Position, SMT"
  rect 0.5x2.5 smd: 1(-1.6,8.5) 2(-0.8,8.5) 3(0,8.5) 4(0.8,8.5) 5(1.6,8.5)
  rect 2x2.5 smd: 6(-4.4,8.5) 7(4.4,8.5) 8(-4.4,3) 9(4.4,3)
  round 0.9 hole 0.9 unplated mask+0: ALIGN1(-2.2,5.9) ALIGN2(2.2,5.9)
  silkscreen extent -3.85,0.15 3.85,9.6, body extent -4.8,0 4.8,9.25, height 3.91